# Altium PCB PCB1.PcbDoc (part 1 of 2)
Units mm, origin at the board's own origin, x right, y up, seen from the top; angles counter-clockwise.
Board outline 172 x 137 mm, 4 copper layers (Top Layer, Ground Plane, Power Plane, Bottom Layer), stack 1.62 mm thick; 41 components, 171 nets, 822 pads, 132 vias.
Unrouted connection lines stored in the file: 189.
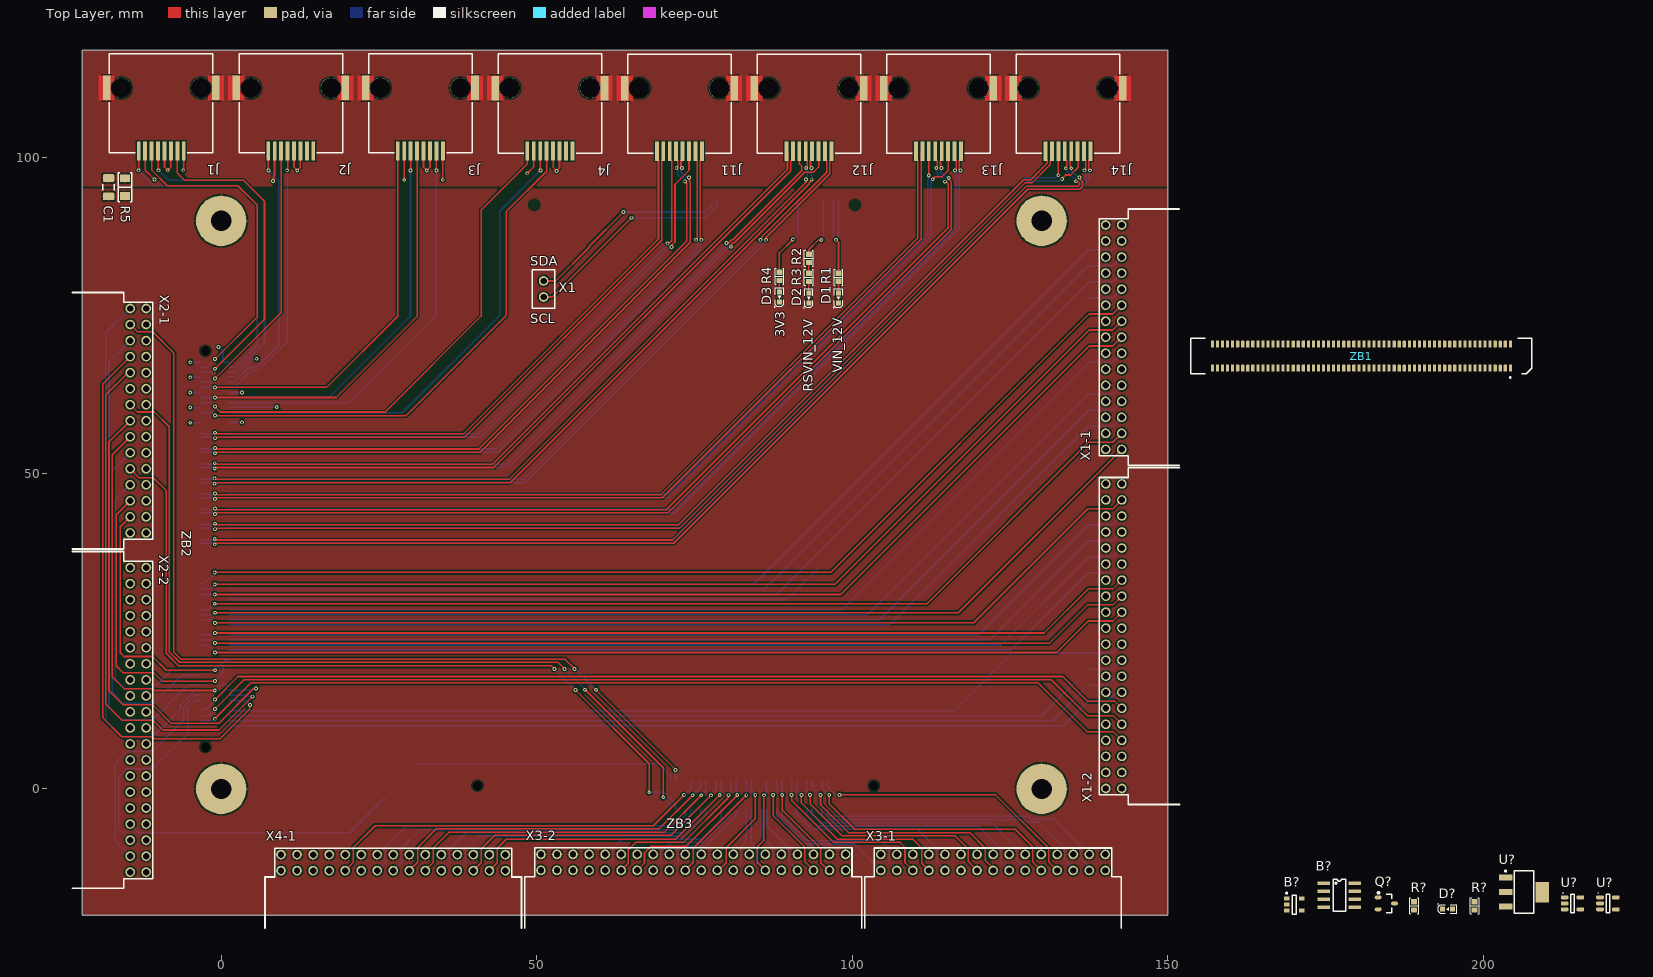
[diagram p0: Top Layer view]
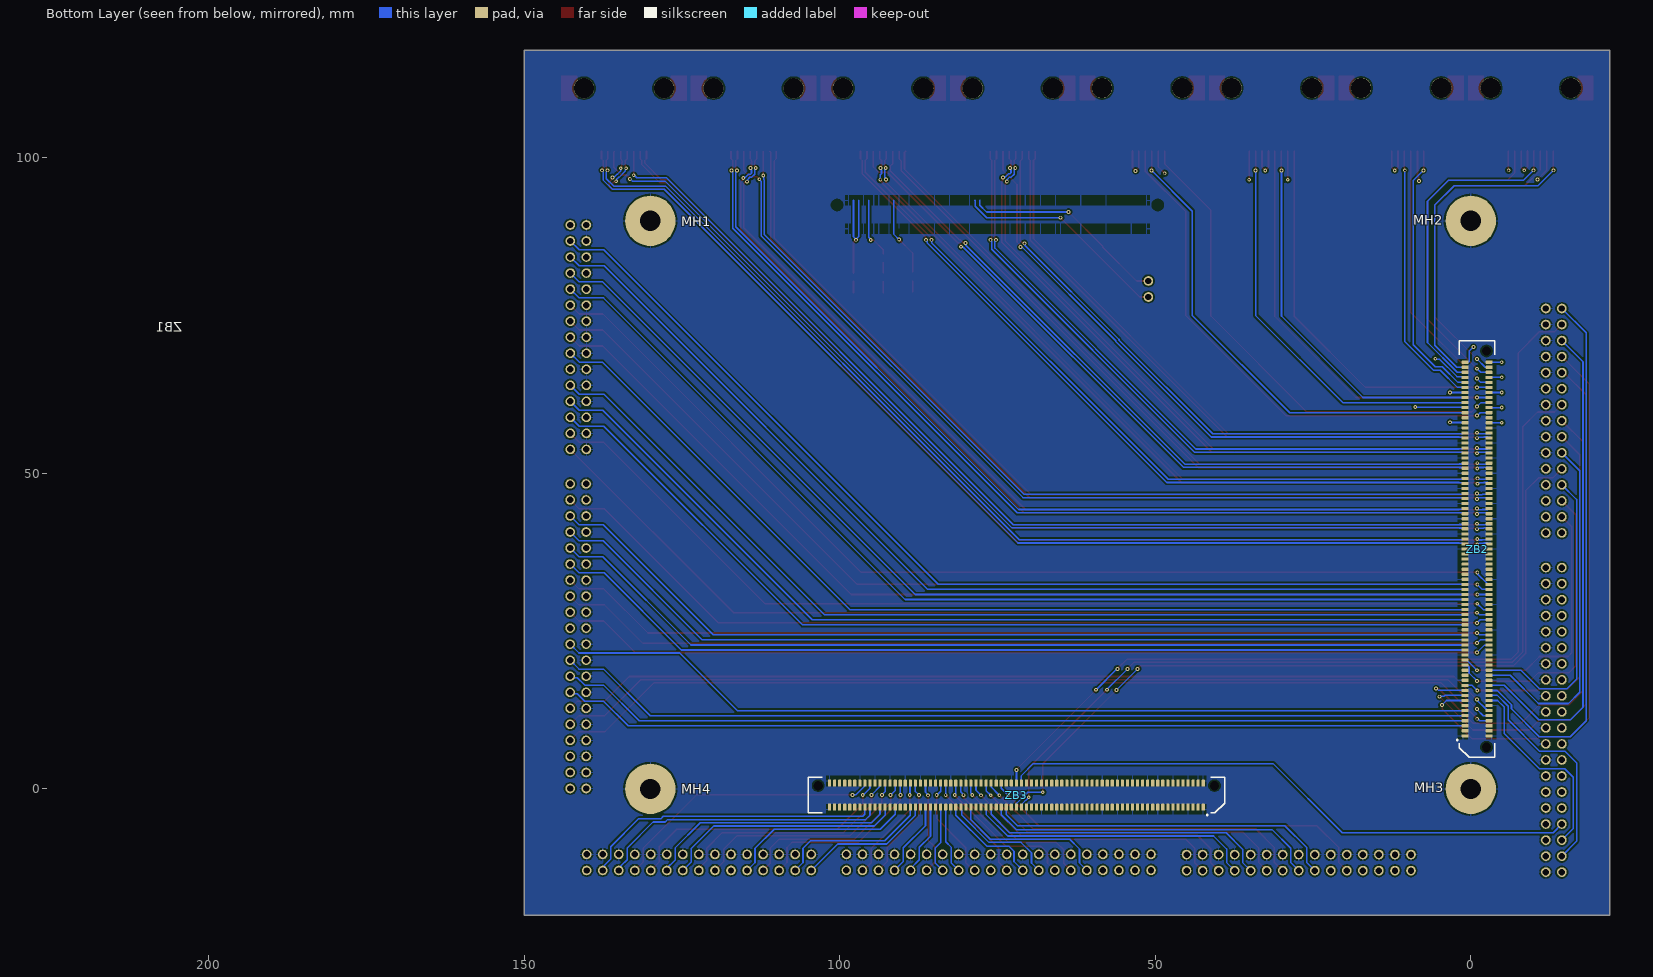
[diagram p1: Bottom Layer view, seen from below]
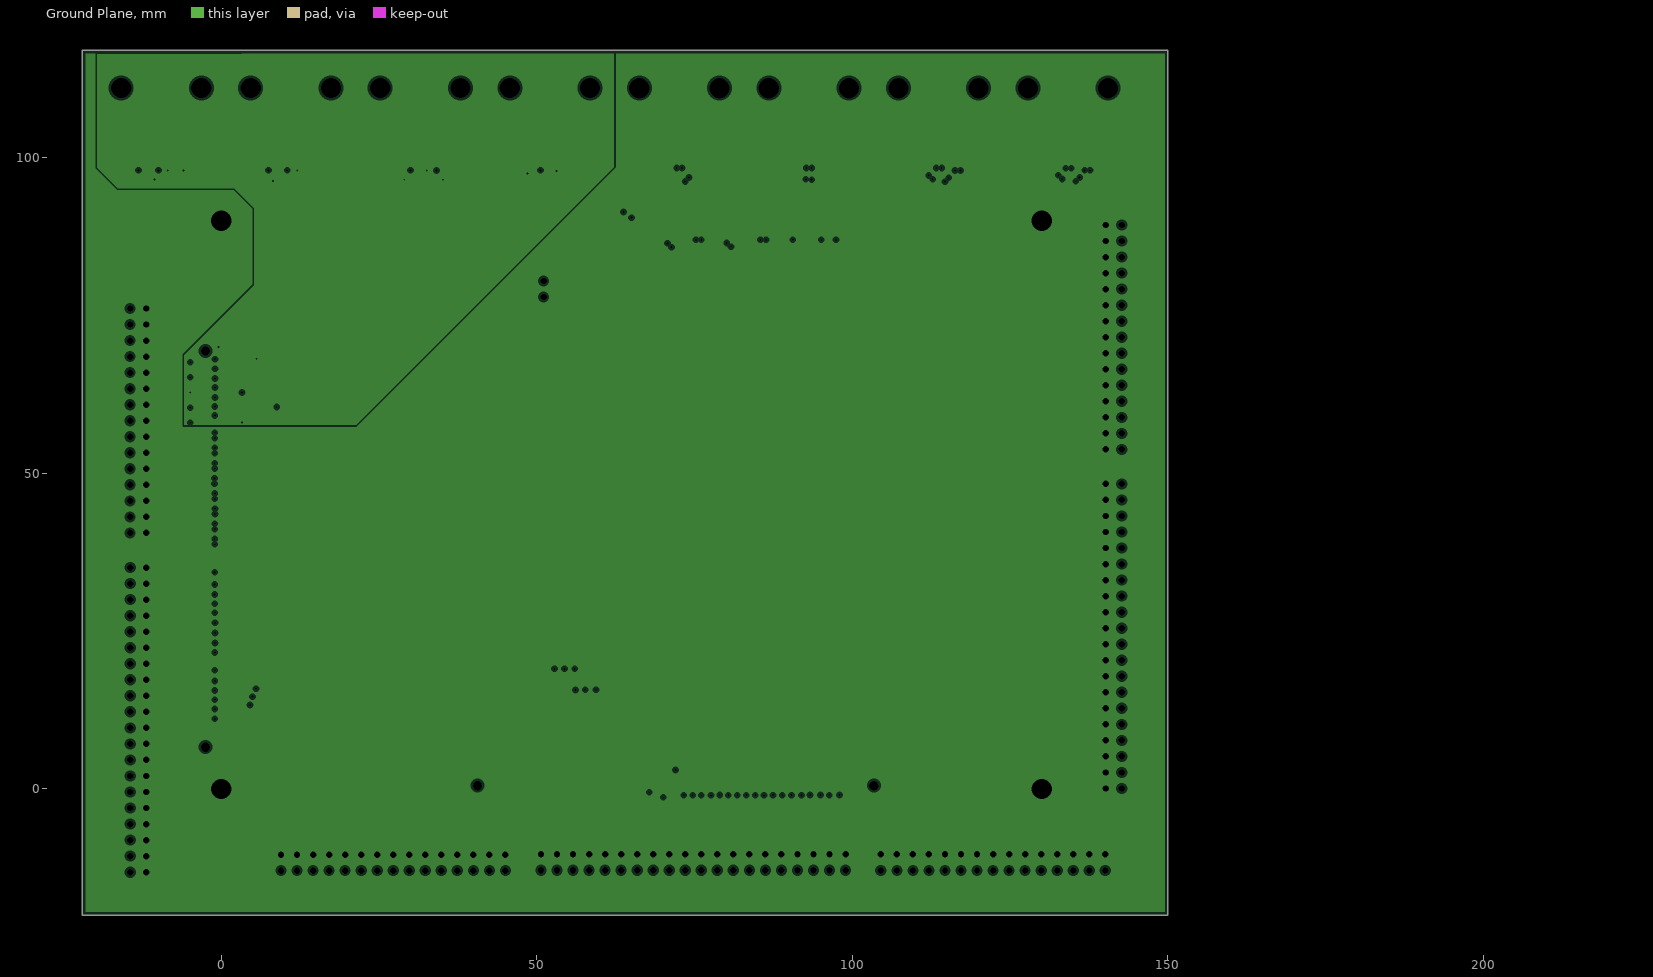
[diagram p2: Ground Plane, clearances drawn from the general rule]
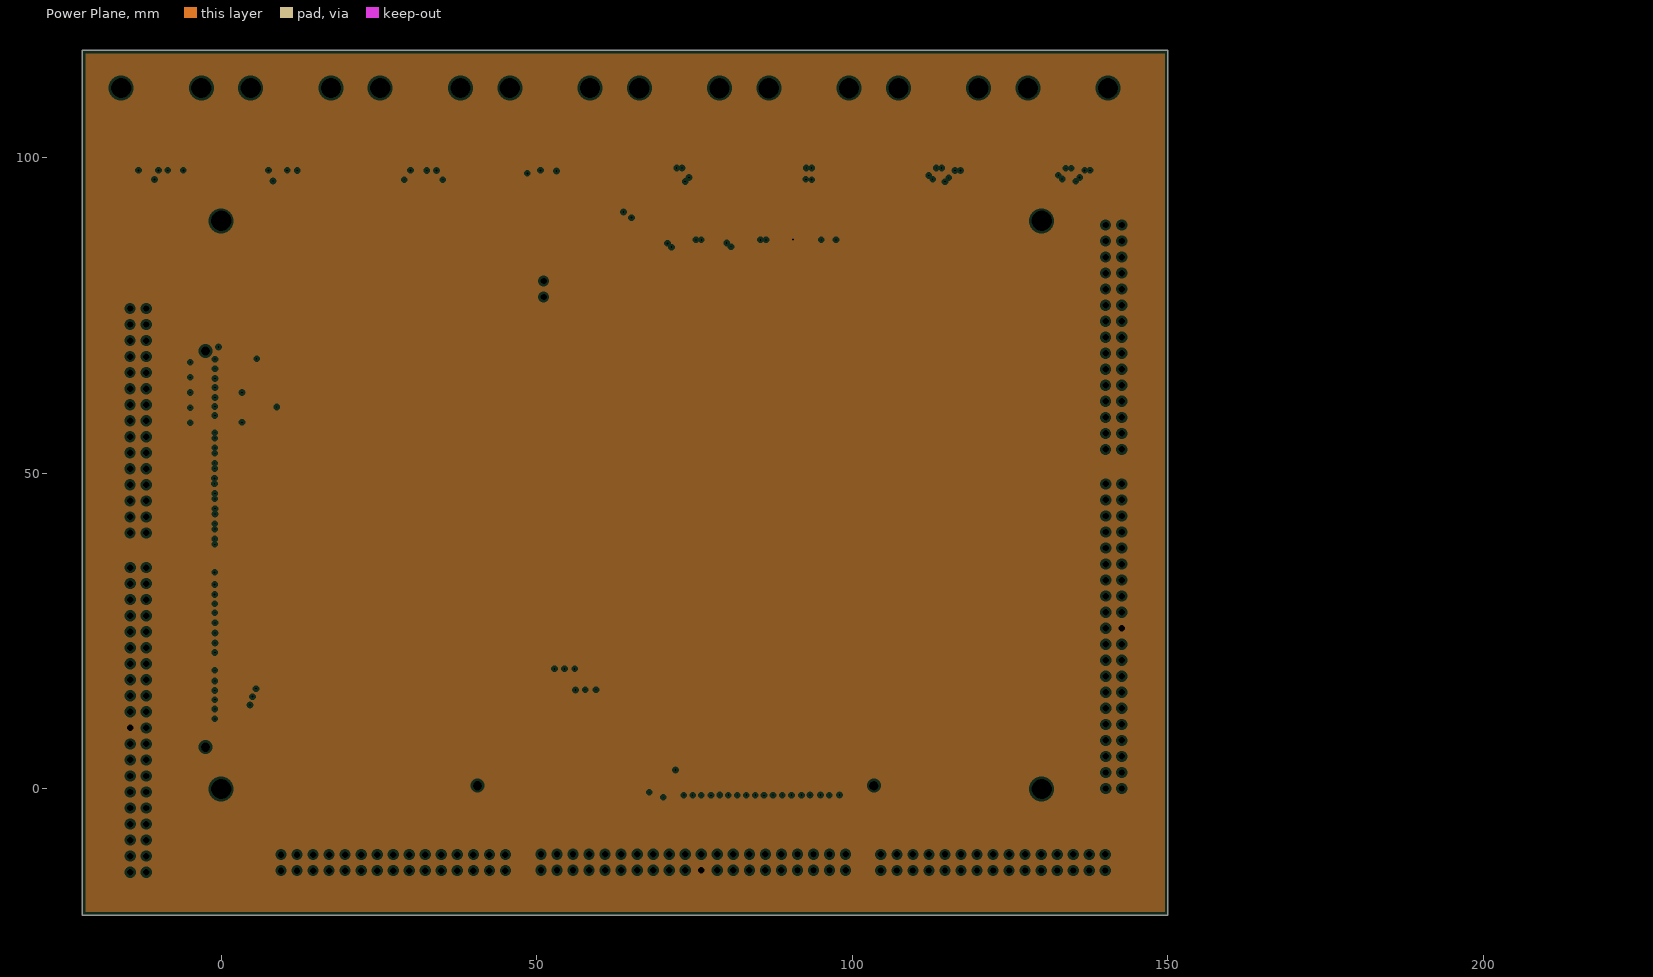
[diagram p3: Power Plane, clearances drawn from the general rule]

## Layer stack, top to bottom
Top Solder: solder mask 0.01, Solder Resist, Dk 3.5
Top Layer: signal copper 0.035
Prepreg 1: prepreg 0.14, 2x Prepreg 1080, Dk 4.3
Ground Plane: plane copper 0.035, net (Multiple Nets)
Core: core 1.2, Kern FR4, Dk 4.3
Power Plane: plane copper 0.035, net 3V3
Prepreg 2: prepreg 0.14, 2x Prepreg 1080, Dk 4.3
Bottom Layer: signal copper 0.035
Bottom Solder: solder mask 0.01, Solder Resist, Dk 3.5

## Board outline
-22,-20 150,-20 150,117 -22,117

## Design rules (kind name [scope] priority, off if disabled: settings)
Clearance [All] p1: gap=0.254 ignorepadtopadclearanceinfootprint=TRUE
DiffPairsRouting [All] p1: maxlimit=0.254 minlimit=0.2 mostfreqgap=0.254 toplayer_minwidth=0.1 toplayer_maxwidth=0.254 toplayer_prefwidth=0.2 bottomlayer_minwidth=0.1 bottomlayer_maxwidth=0.254 bottomlayer_prefwidth=0.2 maxuncoupledlength=12.7
HoleSize [All] p1: absolutevalues=TRUE maxlimit=7.62 minlimit=0.254 maxpercent=80.000 minpercent=20.000
MinimumAnnularRing [All] p1: minimumring=0.1
PasteMaskExpansion [All] p1: expansion=0.254
PlaneClearance [All] p1: clearance=0.381
PlaneConnect [All] p1: pad.planeconnectstyle=Relief pad.reliefexpansion=0.508 pad.reliefentries=4 pad.reliefconductorwidth=0.254 pad.reliefairgap=0.254 via.planeconnectstyle=Direct via.reliefexpansion=0.508 via.reliefentries=4 via.reliefconductorwidth=0.254 via.reliefairgap=0.254
PolygonConnect [All] p1: thpad.connectstyle=Relief thpad.reliefconductorwidth=0.254 thpad.reliefentries=4 thpad.polygonreliefangle="90 Angle" thpad.airgapwidth=0.254 smdpad.connectstyle=Relief smdpad.reliefconductorwidth=0.254 smdpad.reliefentries=4 smdpad.polygonreliefangle="90 Angle" smdpad.airgapwidth=0.254 via.connectstyle=Direct via.reliefconductorwidth=0.254 via.reliefentries=4 via.polygonreliefangle="90 Angle" via.airgapwidth=0.254
RoutingVias [All] p1: holewidth=0.3 width=0.6 viastyle="Through Hole" minholewidth=0.2 minwidth=0.4 maxholewidth=0.3 maxwidth=0.6
SMDNeckDown [All] p1: percent=100.000
SilkToSolderMaskClearance SilkscreenOverComponentPads [IsPad] p1: minsilkscreentomaskgap=0.254 clearancetoexposedcopper=TRUE
SolderMaskExpansion [All] p1: expansion=0.254 istentingtop=FALSE
SupplyNets "Schematic Supply Nets_1" [InNet('1V8')] p1: voltage=0.000
SupplyNets "Schematic Supply Nets" [InNet('GND-ETH')] p2: voltage=0.000
SupplyNets "Schematic Supply Nets_16" [InNet('5V_unused1')] p3: voltage=0.000
SupplyNets "Schematic Supply Nets_15" [InNet('5V_unused2')] p4: voltage=0.000
SupplyNets "Schematic Supply Nets_14" [InNet('24V_unused1')] p5: voltage=0.000
SupplyNets "Schematic Supply Nets_13" [InNet('24V_unused4')] p6: voltage=0.000
SupplyNets "Schematic Supply Nets_12" [InNet('24V_unused7')] p7: voltage=0.000
SupplyNets "Schematic Supply Nets_11" [InNet('24V_unused2')] p8: voltage=0.000
SupplyNets "Schematic Supply Nets_10" [InNet('24V_unused3')] p9: voltage=0.000
SupplyNets "Schematic Supply Nets_9" [InNet('24V_unused6')] p10: voltage=0.000
SupplyNets "Schematic Supply Nets_8" [InNet('5V_unused3')] p11: voltage=0.000
SupplyNets "Schematic Supply Nets_7" [InNet('24V_unused5')] p12: voltage=0.000
SupplyNets "Schematic Supply Nets_6" [InNet('RSVIN_12V')] p13: voltage=0.000
SupplyNets "Schematic Supply Nets_5" [InNet('VIN_12V')] p14: voltage=0.000
SupplyNets "Schematic Supply Nets_4" [InNet('3V3')] p15: voltage=0.000
SupplyNets "Schematic Supply Nets_3" [InNet('AGND')] p16: voltage=0.000
SupplyNets "Schematic Supply Nets_2" [InNet('GND')] p17: voltage=0.000
Width [All] p1: maxlimit=0.254 minlimit=0.254 preferedwidth=0.254
24 further rules are at their usual default settings.

## Classes and differential pairs
component class ZB3: X2-1 X2-2 X3-1 X3-2 X4-1 ZB3
component class ZB2: C1 J1 J2 J3 J4 J11 J12 J13 J14 R5 X1-1 X1-2 ZB2
component class ZB1: B? D1 D2 D3 D? MH1 MH2 MH3 MH4 Q? R1 R2 R3 R4 R? U? X1 ZB1
differential pair AI: +AI_P1 -AI_N1
differential pair AI: +AI_P2 -AI_N2
differential pair AI: +AI_P4 -AI_N4
differential pair AI: +AI_P6 -AI_N6
differential pair AI: +AI_P8 -AI_N8
differential pair AI: +AI_P10 -AI_N10
differential pair AI: +AI_P12 -AI_N12
differential pair AI: +AI_P14 -AI_N14
differential pair AI: +AI_P16 -AI_N16
differential pair AI: +AI_P15 -AI_N15
differential pair AI: +AI_P13 -AI_N13
differential pair AI: +AI_P11 -AI_N11
differential pair AI: +AI_P9 -AI_N9
differential pair AI: +AI_P7 -AI_N7
differential pair AI: +AI_P5 -AI_N5
differential pair AI: +AI_P3 -AI_N3

## Components (designator, comment, footprint, x,y, rotation, side; value= is the part's Value field where it differs from the comment)
B? "TPS54331DR" SOIC-8-N 174.714,-14.946 r0 top
B? "1.8 V" SOT23-5_L 170.014,-18.346 r0 top
C1 "100 pF" C_1206_TE -17.847,95.328 r0 top
D1 "150060BS84000" WL-SMCW_0603 97.8,77.776 r90 top
D2 "NCD0603W1" WL-SMCW_0603 93.1,77.76 r90 top
D3 "FC-DA1608HOK-600H" WL-SMCW_0603 88.45,77.906 r90 top
D? "19-213/Y2C-CQ2R2L/3T(CY)" WL-SMCW_0603 194.314,-19.046 r0 top
J1 "6339160-1" 634008149821 -9.5,108.576 r180 top
J2 "6339160-1" 634008149821 11.024,108.576 r180 top
J3 "6339160-1" 634008149821 31.548,108.576 r180 top
J4 "6339160-1" 634008149821 52.072,108.565 r180 top
J11 "6339160-1" 634008149821 72.596,108.531 r180 top
J12 "6339160-1" 634008149821 93.12,108.531 r180 top
J13 "6339160-1" 634008149821 113.644,108.531 r180 top
J14 "6339160-1" 634008149821 134.168,108.531 r180 top
MH1 "Mouting Hole, 3mm" "NY PMS 440 0025 PH" 130,90 r180 bottom
MH2 "Mouting Hole, 3mm" "NY PMS 440 0025 PH" 0,90 r180 bottom
MH3 "Mouting Hole, 3mm" "NY PMS 440 0025 PH" 0,0 r180 bottom
MH4 "Mouting Hole, 3mm" "NY PMS 440 0025 PH" 130,0 r180 bottom
Q? "BC846BLT3G" SOT95P280X145-3N 184.614,-18.146 r0 top value="65 V"
R1 "4k3" "RES 0603_1608" 97.8,81.056 r90 top
R2 "20k" "RES 0603_1608" 93.1,84.044 r90 top
R3 "1k" "RES 0603_1608" 93.1,81.04 r90 top
R4 "1k" "RES 0603_1608" 88.45,81.186 r90 top
R5 "1M" "RES 1206_3216" -15.243,95.328 r270 top
R? "4k3" "RES 0603_1608" 189.014,-18.546 r90 top
R? "470R" "RES 0603_1608" 198.614,-18.546 r90 top
U? "LP2985A-33DBVT" SOT95P280X145-5N 219.714,-18.146 r0 top value="3.3 V"
U? "LP2985A-18DBVJ" SOT95P280X145-5N 214.114,-18.146 r0 top value="1.8 V"
U? "LDL1117S33R" SOT230P700X170-4N 206.414,-16.346 r0 top value="3.3 V"
X1 "TSW-102-07-L-S" TSW-102-XX-XXX-S 51.079,79.2 r90 top
X1-1 "IPL1-115-01-L-D-RA-K" IPL1-115-01-XX-D-RA 152.324,71.56 r270 top
X1-2 "IPL1-120-01-L-D-RA-K" IPL1-120-01-XX-D-RA 152.352,24.186 r270 top
X2-1 "IPL1-115-01-L-D-RA-K" IPL1-115-01-XX-D-RA -24.082,58.33 r90 top
X2-2 "IPL1-120-01-L-D-RA-K" IPL1-120-01-XX-D-RA -24.076,10.93 r90 top
X3-1 "IPL1-115-01-L-D-RA-K" IPL1-115-01-XX-D-RA 122.296,-22.582 r180 top
X3-2 "IPL1-120-01-L-D-RA-K" IPL1-120-01-XX-D-RA 74.796,-22.564 r180 top
X4-1 "IPL1-115-01-L-D-RA-K" IPL1-115-01-XX-D-RA 27.256,-22.604 r180 top
ZB1 "ERM8-060-02.0-L-DV-TR" ERM8-060-02.0-L-DV 180.653,68.572 r180 top
ZB2 "ERM8-075-02.0-L-DV-TR" ERM8-075-02.0-L-DV -1,38 r90 bottom
ZB3 "ERM8-075-02.0-L-DV-TR" ERM8-075-02.0-L-DV 72,-1 r0 bottom

## Footprints (in the part's own frame and the unit in brackets; to place one, negate y for a bottom-side part, rotate by r counter-clockwise, add the part's x,y. Pads: shape width x height; smd on the part's side, far side on the other; paste and mask are expansions set on the pad)
634008149821 [mm] "Modular Jack Horizontal Shielded SMT 8P8C Tab Up"
  rect 0.61x3.05 smd: 1(3.57,7.505) 2(2.55,7.505) 3(1.53,7.505) 4(0.51,7.505) 5(-0.51,7.505) 6(-1.53,7.505) 7(-2.55,7.505) 8(-3.57,7.505)
  round 3.2 hole 3.2 unplated: M1(-6.35,-2.475) M2(6.35,-2.475)
  rect 1.2x3.89 smd paste-403.566 mask-403.566: Shell(-8.66,-2.475) Shell(8.66,-2.475)
  Top Layer region: -9.91,-4.42 -7.41,-4.42 -7.41,-3.807 -7.883,-3.214 -8.052,-2.475 -7.883,-1.736 -7.41,-1.143 -7.41,-1.143 -7.41,-0.53 -9.91,-0.53
  Top Layer region: 9.91,-4.42 7.41,-4.42 7.41,-3.807 7.883,-3.214 8.052,-2.475 7.883,-1.736 7.41,-1.143 7.41,-1.143 7.41,-0.53 9.91,-0.53
  silkscreen extent -8.2,-7.87 8.2,7.83, body extent -9.4,-7.88 9.4,8.42, height 13.45
C_1206_TE [mm]
  rrect33% 1.82x1.21 smd: 1(0,1.45) 2(0,-1.45)
  silkscreen extent -0.9,-0.5 0.9,0.5, body extent -0.81,-1.6 0.81,1.6, height 1.82
ERM8-060-02.0-L-DV [mm]
  rrect33% 0.5x1.1 smd: 1(-23.6,1.9) 2(-23.6,-1.9) 3(-22.8,1.9) 4(-22.8,-1.9) 5(-22,1.9) 6(-22,-1.9) 7(-21.2,1.9) 8(-21.2,-1.9) 9(-20.4,1.9) 10(-20.4,-1.9) 11(-19.6,1.9) 12(-19.6,-1.9) 13(-18.8,1.9) 14(-18.8,-1.9) 15(-18,1.9) 16(-18,-1.9) 17(-17.2,1.9) 18(-17.2,-1.9) 19(-16.4,1.9) 20(-16.4,-1.9) 21(-15.6,1.9) 22(-15.6,-1.9) 23(-14.8,1.9) 24(-14.8,-1.9) 25(-14,1.9) 26(-14,-1.9) 27(-13.2,1.9) 28(-13.2,-1.9) 29(-12.4,1.9) 30(-12.4,-1.9) 31(-11.6,1.9) 32(-11.6,-1.9) 33(-10.8,1.9) 34(-10.8,-1.9) 35(-10,1.9) 36(-10,-1.9) 37(-9.2,1.9) 38(-9.2,-1.9) 39(-8.4,1.9) 40(-8.4,-1.9) 41(-7.6,1.9) 42(-7.6,-1.9) 43(-6.8,1.9) 44(-6.8,-1.9) 45(-6,1.9) 46(-6,-1.9) 47(-5.2,1.9) 48(-5.2,-1.9) 49(-4.4,1.9) 50(-4.4,-1.9) 51(-3.6,1.9) 52(-3.6,-1.9) 53(-2.8,1.9) 54(-2.8,-1.9) 55(-2,1.9) 56(-2,-1.9) 57(-1.2,1.9) 58(-1.2,-1.9) 59(-0.4,1.9) 60(-0.4,-1.9) 61(0.4,1.9) 62(0.4,-1.9) 63(1.2,1.9) 64(1.2,-1.9) 65(2,1.9) 66(2,-1.9) 67(2.8,1.9) 68(2.8,-1.9) 69(3.6,1.9) 70(3.6,-1.9) 71(4.4,1.9) 72(4.4,-1.9) 73(5.2,1.9) 74(5.2,-1.9) 75(6,1.9) 76(6,-1.9) 77(6.8,1.9) 78(6.8,-1.9) 79(7.6,1.9) 80(7.6,-1.9) 81(8.4,1.9) 82(8.4,-1.9) 83(9.2,1.9) 84(9.2,-1.9) 85(10,1.9) 86(10,-1.9) 87(10.8,1.9) 88(10.8,-1.9) 89(11.6,1.9) 90(11.6,-1.9) 91(12.4,1.9) 92(12.4,-1.9) 93(13.2,1.9) 94(13.2,-1.9) 95(14,1.9) 96(14,-1.9) 97(14.8,1.9) 98(14.8,-1.9) 99(15.6,1.9) 100(15.6,-1.9) 101(16.4,1.9) 102(16.4,-1.9) 103(17.2,1.9) 104(17.2,-1.9) 105(18,1.9) 106(18,-1.9) 107(18.8,1.9) 108(18.8,-1.9) 109(19.6,1.9) 110(19.6,-1.9) 111(20.4,1.9) 112(20.4,-1.9) 113(21.2,1.9) 114(21.2,-1.9) 115(22,1.9) 116(22,-1.9) 117(22.8,1.9) 118(22.8,-1.9) 119(23.6,1.9) 120(23.6,-1.9)
  round 0 hole 1.45 unplated: H1(-25.4,-1.5) H2(25.4,-1.5)
  silkscreen extent -27,-2.8 27,3.5, body extent -27,-2.8 27,2.8, height 5.96
ERM8-075-02.0-L-DV [mm]
  rrect33% 0.5x1.1 smd: 1(-29.6,1.9) 2(-29.6,-1.9) 3(-28.8,1.9) 4(-28.8,-1.9) 5(-28,1.9) 6(-28,-1.9) 7(-27.2,1.9) 8(-27.2,-1.9) 9(-26.4,1.9) 10(-26.4,-1.9) 11(-25.6,1.9) 12(-25.6,-1.9) 13(-24.8,1.9) 14(-24.8,-1.9) 15(-24,1.9) 16(-24,-1.9) 17(-23.2,1.9) 18(-23.2,-1.9) 19(-22.4,1.9) 20(-22.4,-1.9) 21(-21.6,1.9) 22(-21.6,-1.9) 23(-20.8,1.9) 24(-20.8,-1.9) 25(-20,1.9) 26(-20,-1.9) 27(-19.2,1.9) 28(-19.2,-1.9) 29(-18.4,1.9) 30(-18.4,-1.9) 31(-17.6,1.9) 32(-17.6,-1.9) 33(-16.8,1.9) 34(-16.8,-1.9) 35(-16,1.9) 36(-16,-1.9) 37(-15.2,1.9) 38(-15.2,-1.9) 39(-14.4,1.9) 40(-14.4,-1.9) 41(-13.6,1.9) 42(-13.6,-1.9) 43(-12.8,1.9) 44(-12.8,-1.9) 45(-12,1.9) 46(-12,-1.9) 47(-11.2,1.9) 48(-11.2,-1.9) 49(-10.4,1.9) 50(-10.4,-1.9) 51(-9.6,1.9) 52(-9.6,-1.9) 53(-8.8,1.9) 54(-8.8,-1.9) 55(-8,1.9) 56(-8,-1.9) 57(-7.2,1.9) 58(-7.2,-1.9) 59(-6.4,1.9) 60(-6.4,-1.9) 61(-5.6,1.9) 62(-5.6,-1.9) 63(-4.8,1.9) 64(-4.8,-1.9) 65(-4,1.9) 66(-4,-1.9) 67(-3.2,1.9) 68(-3.2,-1.9) 69(-2.4,1.9) 70(-2.4,-1.9) 71(-1.6,1.9) 72(-1.6,-1.9) 73(-0.8,1.9) 74(-0.8,-1.9) 75(0,1.9) 76(0,-1.9) 77(0.8,1.9) 78(0.8,-1.9) 79(1.6,1.9) 80(1.6,-1.9) 81(2.4,1.9) 82(2.4,-1.9) 83(3.2,1.9) 84(3.2,-1.9) 85(4,1.9) 86(4,-1.9) 87(4.8,1.9) 88(4.8,-1.9) 89(5.6,1.9) 90(5.6,-1.9) 91(6.4,1.9) 92(6.4,-1.9) 93(7.2,1.9) 94(7.2,-1.9) 95(8,1.9) 96(8,-1.9) 97(8.8,1.9) 98(8.8,-1.9) 99(9.6,1.9) 100(9.6,-1.9) 101(10.4,1.9) 102(10.4,-1.9) 103(11.2,1.9) 104(11.2,-1.9) 105(12,1.9) 106(12,-1.9) 107(12.8,1.9) 108(12.8,-1.9) 109(13.6,1.9) 110(13.6,-1.9) 111(14.4,1.9) 112(14.4,-1.9) 113(15.2,1.9) 114(15.2,-1.9) 115(16,1.9) 116(16,-1.9) 117(16.8,1.9) 118(16.8,-1.9) 119(17.6,1.9) 120(17.6,-1.9) 121(18.4,1.9) 122(18.4,-1.9) 123(19.2,1.9) 124(19.2,-1.9) 125(20,1.9) 126(20,-1.9) 127(20.8,1.9) 128(20.8,-1.9) 129(21.6,1.9) 130(21.6,-1.9) 131(22.4,1.9) 132(22.4,-1.9) 133(23.2,1.9) 134(23.2,-1.9) 135(24,1.9) 136(24,-1.9) 137(24.8,1.9) 138(24.8,-1.9) 139(25.6,1.9) 140(25.6,-1.9) 141(26.4,1.9) 142(26.4,-1.9) 143(27.2,1.9) 144(27.2,-1.9) 145(28,1.9) 146(28,-1.9) 147(28.8,1.9) 148(28.8,-1.9) 149(29.6,1.9) 150(29.6,-1.9)
  round 0 hole 1.45 unplated: H1(-31.4,-1.5) H2(31.4,-1.5)
  silkscreen extent -33,-2.8 33,3.25, body extent -33,-2.8 33,2.8, height 5.96
IPL1-115-01-XX-D-RA [mil]
  round 60 hole 40 mask+3: 1(-700,-380) 2(-600,-380) 3(-500,-380) 4(-400,-380) 5(-300,-380) 6(-200,-380) 7(-100,-380) 8(0,-380) 9(100,-380) 10(200,-380) 11(300,-380) 12(400,-380) 13(500,-380) 14(600,-380) 15(700,-380) 16(-700,-480) 17(-600,-480) 18(-500,-480) 19(-400,-480) 20(-300,-480) 21(-200,-480) 22(-100,-480) 23(0,-480) 24(100,-480) 25(200,-480) 26(300,-480) 27(400,-480) 28(500,-480) 29(600,-480) 30(700,-480)
  silkscreen extent -800,-520 800,-20, body extent -780,-492 780,0, height 315
IPL1-120-01-XX-D-RA [mil]
  round 60 hole 40 mask+3: 1(-950,-380) 2(-850,-380) 3(-750,-380) 4(-650,-380) 5(-550,-380) 6(-450,-380) 7(-350,-380) 8(-250,-380) 9(-150,-380) 10(-50,-380) 11(50,-380) 12(150,-380) 13(250,-380) 14(350,-380) 15(450,-380) 16(550,-380) 17(650,-380) 18(750,-380) 19(850,-380) 20(950,-380) 21(-950,-480) 22(-850,-480) 23(-750,-480) 24(-650,-480) 25(-550,-480) 26(-450,-480) 27(-350,-480) 28(-250,-480) 29(-150,-480) 30(-50,-480) 31(50,-480) 32(150,-480) 33(250,-480) 34(350,-480) 35(450,-480) 36(550,-480) 37(650,-480) 38(750,-480) 39(850,-480) 40(950,-480)
  silkscreen extent -1050,-520 1050,-20, body extent -1030,-492 1030,0, height 315
"NY PMS 440 0025 PH" [mm] "4-40 nylon screw and mounting hole"
  round 8 hole 3.2: 1(0,0)
  body extent -3.18,-3.17 3.42,3.43, height 2.69
"RES 0603_1608" [mm] "Chip Resistor, 2-Leads, Body 1.60x0.80mm, IPC Medium Density"
  rect 0.85x0.95 smd: 1(-0.65,0) 2(0.65,0)
  silkscreen extent -1.27,-0.7 1.27,0.7, body extent -0.8,-0.4 0.8,0.4, height 0.45
"RES 1206_3216" [mm] "Chip Resistor, 2-Leads, Body 3.13x1.55mm, IPC Medium Density"
  rect 1.2x1.65 smd: 1(-1.4,0) 2(1.4,0)
  silkscreen extent -2.3,-1.1 2.3,1.1, body extent -1.6,-0.8 1.6,0.8, height 0.6
SOIC-8-N [mm] "SMD Small Outline IC 8 pin Narrow"
  rect 2x0.55 smd: 1(0,0) 2(0,-1.27) 3(0,-2.54) 4(0,-3.81) 5(4.9,-3.81) 6(4.9,-2.54) 7(4.9,-1.27) 8(4.9,0)
  silkscreen extent 1.46,-4.44 3.44,0.64, body extent -0.64,-4.32 5.56,0.51, height 1.7
SOT23-5_L [mm] "SOT23, 5-Leads, Body 2.9x1.6mm, Pitch 0.95mm, Lead Span 2.8mm, IPC High Density"
  rect 0.9x0.65 smd: 1(-1.2,0.95) 2(-1.2,0) 3(-1.2,-0.95) 4(1.2,-0.95) 5(1.2,0.95)
  silkscreen extent -1.32,-1.5 0.35,1.95, body extent -0.87,-1.5 0.87,1.5, height 1.45
SOT95P280X145-3N [mm] "SOT23, 3-Leads, Body 3,0x3,0mm (max), Pitch 0,95mm, IPC Medium Density"